# Altium PCB PCB_v3.PcbDoc (part 2 of 7) (continued)
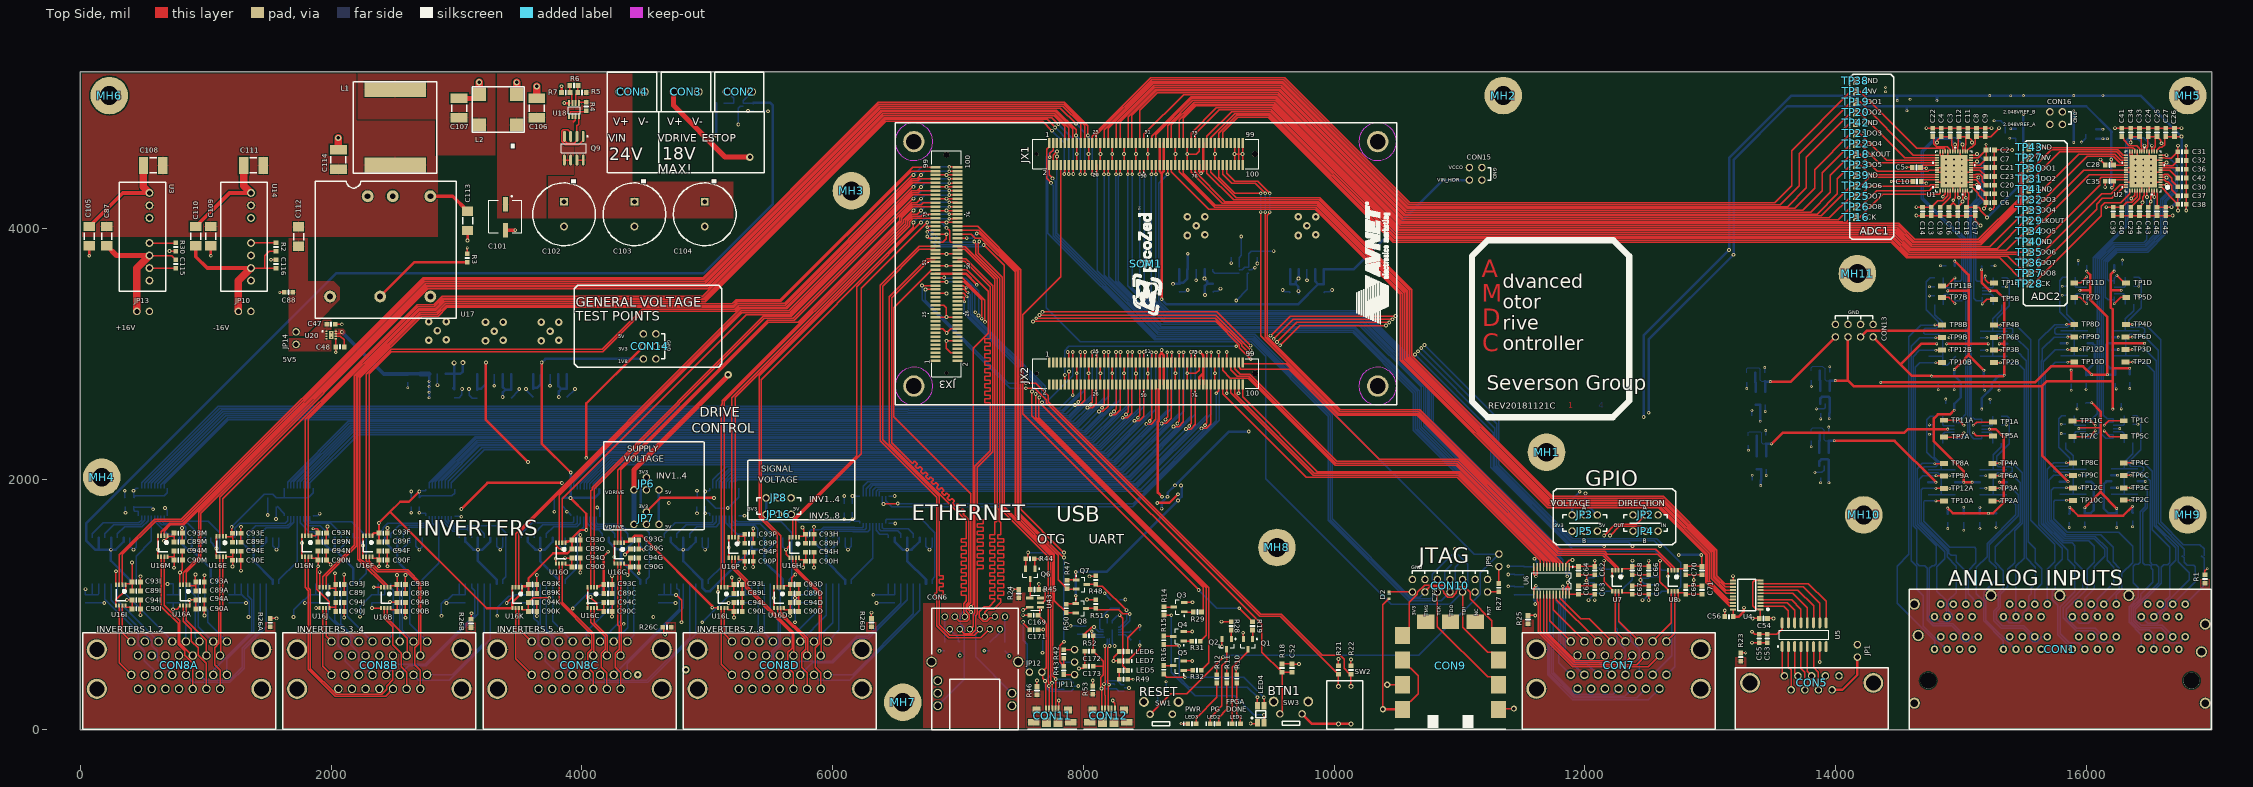
[diagram p0: Top Side view]
## Part data (continued)
R4 R6: library part Res1, "Resistor", Case/Package=0603, Case Code (Metric)=1608, Manufacturer="Stackpole Electronics", Manufacturer Part Number=RMCF0603FT60K4, Max Operating Temperature=155°C, Max Power Dissipation=100mW, Min Operating Temperature=-55°C, Resistance=60.4k, Supplier Part Number 1=RMCF0603FT60K4CT-ND, Temperature Coefficient=100ppm/°C, Tolerance=1%, Case Code (Imperial)=0603, ComponentLink1Description=https://www.verical.com/server-webapp/html/getDatasheet?partID=493745, ComponentLink1URL=https://www.verical.com/server-webapp/html/getDatasheet?partID=493745, ComponentLink2Description=http://components.arrow.com/part/dataview/47797003S7054871N1174, ComponentLink2URL=http://components.arrow.com/part/dataview/47797003S7054871N1174, ComponentLink3Description=https://www.seielect.com/catalog/SEI-RMCF_RMCP.pdf, ComponentLink3URL=https://www.seielect.com/catalog/SEI-RMCF_RMCP.pdf, Composition="Thick Film", Contact Plating=Tin,Matte, Depth=0.8mm, Height=0.022inch, Length=1.55mm, Military Standard=Not, Mount="Surface Mount", Number of Terminations=2, Packaging="Tape and Reel", Pricing 1="1=0.1, 10=0.017, 100=0.0069, 1000=0.00309, 2500=0.00268 (USD)", Radiation Hardening=No, Stock 1=95491, Supplier 1=Digi-Key, Width=0.031inch
R5: library part Res1, "Resistor", Case/Package=0603, Manufacturer="Stackpole Electronics", Manufacturer Part Number=RMCF0603FT3M92, Max Operating Temperature=155°C, Max Power Dissipation=100mW, Min Operating Temperature=-55°C, Package Quantity=5000, Resistance=3.92M, Supplier Part Number 1=RMCF0603FT3M92CT-ND, Temperature Coefficient=200ppm/°C, Tolerance=1%, ComponentLink1Description=https://www.seielect.com/Catalog/SEI-RMCF_RMCP.pdf, ComponentLink1URL=https://www.seielect.com/Catalog/SEI-RMCF_RMCP.pdf, Composition="Thick Film", Contact Plating=Tin,Matte, Height=0.022inch, Length=0.061inch, Mount="Surface Mount", Number of Terminations=2, Packaging="Tape and Reel", Pricing 1="1=0.1, 10=0.018, 100=0.0073, 1000=0.00329, 2500=0.00286 (USD)", Radiation Hardening=No, Stock 1=7775, Supplier 1=Digi-Key, Width=0.031inch
R7: library part Res1, "Resistor", Case/Package=0603, Case Code (Metric)=1608, Manufacturer="Stackpole Electronics", Manufacturer Part Number=RMCF0603FT40K2, Max Operating Temperature=155°C, Max Power Dissipation=100mW, Min Operating Temperature=-55°C, Resistance=40.2k, Supplier Part Number 1=RMCF0603FT40K2CT-ND, Temperature Coefficient=100ppm/°C, Tolerance=1%, Case Code (Imperial)=0603, ComponentLink1Description=http://components.arrow.com/part/dataview/47804758S9848883N1174, ComponentLink1URL=http://components.arrow.com/part/dataview/47804758S9848883N1174, ComponentLink2Description=https://www.seielect.com/catalog/SEI-RMCF_RMCP.pdf, ComponentLink2URL=https://www.seielect.com/catalog/SEI-RMCF_RMCP.pdf, ComponentLink3Description=http://www.seielect.com/Catalog/SEI-RMC.pdf, ComponentLink3URL=http://www.seielect.com/Catalog/SEI-RMC.pdf, ComponentLink4Description=https://www.seielect.com/catalog/SEI-Packaging.pdf, ComponentLink4URL=https://www.seielect.com/catalog/SEI-Packaging.pdf, Composition="Thick Film", Contact Plating=Tin,Matte, Height=0.022inch, Lead Free="Lead Free", Length=0.061inch, Mount="Surface Mount", Number of Terminations=2, Packaging="Tape and Reel", Power Rating=100mW, Pricing 1="1=0.1, 10=0.017, 100=0.0069, 1000=0.00309, 2500=0.00268 (USD)", Radiation Hardening=No, Stock 1=147242, Supplier 1=Digi-Key, Width=0.031inch
R10 R11 R14 R15 R16: Case/Package=0603, Case Code (Metric)=1608, Manufacturer=Panasonic, Manufacturer Part Number=ERJ-3EKF2400V, Max Operating Temperature=155°C, Max Power Dissipation=100mW, Min Operating Temperature=-55°C, Package Quantity=1, Resistance=240R, Supplier Part Number 1=P240HDKR-ND, Temperature Coefficient=100ppm/°C, Tolerance=1%, Voltage Rating=75V, Case Code (Imperial)=0603, ComponentLink1Description=https://datasheet.ciiva.com/16759/70260748-16759367.pdf, ComponentLink1URL=https://datasheet.ciiva.com/16759/70260748-16759367.pdf, ComponentLink2Description=https://datasheet.ciiva.com/9183/aoa0000ce2-9183994.pdf, ComponentLink2URL=https://datasheet.ciiva.com/9183/aoa0000ce2-9183994.pdf, ComponentLink3Description=https://datasheet.ciiva.com/16778/70260748-16778490.pdf, ComponentLink3URL=https://datasheet.ciiva.com/16778/70260748-16778490.pdf, ComponentLink4Description=https://datasheet.ciiva.com/9116/aoa0000ce2-9116891.pdf, ComponentLink4URL=https://datasheet.ciiva.com/9116/aoa0000ce2-9116891.pdf, ComponentLink5Description=https://datasheet.ciiva.com/43460/426256-43460443.pdf, ComponentLink5URL=https://datasheet.ciiva.com/43460/426256-43460443.pdf, ComponentLink6Description=https://datasheet.ciiva.com/46378/426256-46378046.pdf, ComponentLink6URL=https://datasheet.ciiva.com/46378/426256-46378046.pdf, ComponentLink7Description=https://datasheet.ciiva.com/5915/426256-5915295.pdf, ComponentLink7URL=https://datasheet.ciiva.com/5915/426256-5915295.pdf, Composition="Thick Film", Contact Plating=Tin, Depth=0.8mm, Features="Automotive AEC-Q200", Height=0.022inch, Length=1.6mm, Military Standard=Not, Mount="Surface Mount", Number of Terminations=2, Packaging="Tape and Reel", Power Rating=100mW, Pricing 1="1=0.1, 10=0.079, 100=0.0323, 1000=0.01449, 2500=0.01258 (USD)", Radiation Hardening=No, REACH SVHC="No SVHC", Stock 1=387596, Supplier 1=Digi-Key, Termination=SMD/SMT, Voltage Rating (DC)=75V, Weight=7.1E-05oz, Width=0.8mm
R12: Case/Package=0603, Case Code (Metric)=1608, Manufacturer=Yageo, Manufacturer Part Number=AC0603FR-07750RL, Max Operating Temperature=155°C, Max Power Dissipation=100mW, Min Operating Temperature=-55°C, Resistance=750, Supplier Part Number 1=YAG3628DKR-ND, Temperature Coefficient=100ppm/°C, Tolerance=1%, Voltage Rating=50V, Case Code (Imperial)=0603, ComponentLink1Description=https://datasheet.ciiva.com/16514/aoa0000ce2-16514166.pdf, ComponentLink1URL=https://datasheet.ciiva.com/16514/aoa0000ce2-16514166.pdf, ComponentLink2Description=https://datasheet.ciiva.com/16779/70260748-16779334.pdf, ComponentLink2URL=https://datasheet.ciiva.com/16779/70260748-16779334.pdf, ComponentLink3Description=https://datasheet.ciiva.com/27055/1988381-27055702.pdf, ComponentLink3URL=https://datasheet.ciiva.com/27055/1988381-27055702.pdf, ComponentLink4Description=https://datasheet.ciiva.com/16765/70260748-16765239.pdf, ComponentLink4URL=https://datasheet.ciiva.com/16765/70260748-16765239.pdf, ComponentLink5Description=https://datasheet.ciiva.com/46374/426256-46374007.pdf, ComponentLink5URL=https://datasheet.ciiva.com/46374/426256-46374007.pdf, ComponentLink6Description=https://datasheet.ciiva.com/46386/426256-46386762.pdf, ComponentLink6URL=https://datasheet.ciiva.com/46386/426256-46386762.pdf, ComponentLink7Description=https://datasheet.ciiva.com/30163/aoa0000ce2-30163966.pdf, ComponentLink7URL=https://datasheet.ciiva.com/30163/aoa0000ce2-30163966.pdf, ComponentLink8Description=https://datasheet.ciiva.com/5868/426256-5868143.pdf, ComponentLink8URL=https://datasheet.ciiva.com/5868/426256-5868143.pdf, ComponentLink9Description=https://datasheet.ciiva.com/24026/aoa0000ce2-24026079.pdf, ComponentLink9URL=https://datasheet.ciiva.com/24026/aoa0000ce2-24026079.pdf, ComponentLink10Description=http://www.mouser.com/ds/2/447/yageodocoutput-1111992.pdf, ComponentLink10URL=http://www.mouser.com/ds/2/447/yageodocoutput-1111992.pdf, ComponentLink11Description=http://www.yageo.com/NewPortal/yageodocoutput?fileName=/pdf/R-Chip/PYu-AC_51_RoHS_L_6.pdf, ComponentLink11URL=http://www.yageo.com/NewPortal/yageodocoutput?fileName=/pdf/R-Chip/PYu-AC_51_RoHS_L_6.pdf, Composition="Thick Film", Height=0.022inch, Length=0.063inch, Number of Terminations=2, Packaging="Tape and Reel", Power Rating=100mW, Pricing 1="1=0.1, 10=0.032, 100=0.0129, 1000=0.00579, 2500=0.00502 (USD)", Stock 1=36277, Supplier 1=Digi-Key, Termination=SMD/SMT, Width=0.8mm
R13 R19 R27 R28 R29 R31 R32 R52: Case/Package=0603, Case Code (Metric)=1608, Manufacturer=Yageo, Manufacturer Part Number=AC0603FR-07100RL, Max Operating Temperature=155°C, Max Power Dissipation=100mW, Min Operating Temperature=-55°C, Resistance=100R, Supplier Part Number 1=YAG3561DKR-ND, Temperature Coefficient=100ppm/°C, Tolerance=1%, Voltage Rating=50V, Case Code (Imperial)=0603, ComponentLink1Description=https://datasheet.ciiva.com/12576/pyu-ac-51-rohs-l-2-12576586.pdf, ComponentLink1URL=https://datasheet.ciiva.com/12576/pyu-ac-51-rohs-l-2-12576586.pdf, Composition="Thick Film", Contact Plating=Tin,Matte, Depth=0.8mm, Height=0.022inch, Lead Free="Lead Free", Length=1.6mm, Military Standard=Not, Number of Terminations=2, Packaging="Tape and Reel", Power Rating=100mW, Pricing 1="1=0.1, 10=0.032, 100=0.0129, 1000=0.00579, 2500=0.00502 (USD)", Radiation Hardening=No, Supplier 1=Digi-Key, Termination=SMD/SMT, Weight=7.1E-05oz, Width=0.031inch
  R13: Stock 1=161567
  R19 R27 R28 R29 R31 R32 R52: Stock 1=161909
R17 R18 R21 R22: Case/Package=0603, Case Code (Metric)=1608, Manufacturer=Panasonic, Manufacturer Part Number=ERJ-3EKF1002V, Max Operating Temperature=155°C, Max Power Dissipation=100mW, Min Operating Temperature=-55°C, Package Quantity=1, Resistance=10kR, Supplier Part Number 1=P10.0KHCT-ND, Temperature Coefficient=100ppm/°C, Tolerance=1%, Voltage Rating=75V, Case Code (Imperial)=0603, ComponentLink1Description=https://datasheet.ciiva.com/16511/aoa0000ce2-16511861.pdf, ComponentLink1URL=https://datasheet.ciiva.com/16511/aoa0000ce2-16511861.pdf, ComponentLink2Description=https://datasheet.ciiva.com/46372/1678782-46372725.pdf, ComponentLink2URL=https://datasheet.ciiva.com/46372/1678782-46372725.pdf, ComponentLink3Description=https://datasheet.ciiva.com/28514/426256-28514198.pdf, ComponentLink3URL=https://datasheet.ciiva.com/28514/426256-28514198.pdf, ComponentLink4Description=https://datasheet.ciiva.com/9194/aoa0000ce2-9194199.pdf, ComponentLink4URL=https://datasheet.ciiva.com/9194/aoa0000ce2-9194199.pdf, ComponentLink5Description=https://datasheet.ciiva.com/7830/aoa0000ce2-7830729.pdf, ComponentLink5URL=https://datasheet.ciiva.com/7830/aoa0000ce2-7830729.pdf, ComponentLink6Description=https://datasheet.ciiva.com/17212/aoa0000ce2-17212105.pdf, ComponentLink6URL=https://datasheet.ciiva.com/17212/aoa0000ce2-17212105.pdf, ComponentLink7Description=https://datasheet.ciiva.com/30208/aoa0000ce2-30208985.pdf, ComponentLink7URL=https://datasheet.ciiva.com/30208/aoa0000ce2-30208985.pdf, ComponentLink8Description=https://datasheet.ciiva.com/48530/aoa0000ce2-48530988.pdf, ComponentLink8URL=https://datasheet.ciiva.com/48530/aoa0000ce2-48530988.pdf, ComponentLink9Description=https://datasheet.ciiva.com/24070/aoa0000ce2-24070318.pdf, ComponentLink9URL=https://datasheet.ciiva.com/24070/aoa0000ce2-24070318.pdf, ComponentLink10Description=https://datasheet.ciiva.com/16759/70260748-16759807.pdf, ComponentLink10URL=https://datasheet.ciiva.com/16759/70260748-16759807.pdf, Composition="Thick Film", Contact Plating=Tin, Depth=0.8mm, Features="Automotive AEC-Q200", Height=0.45mm, Lead Free="Lead Free", Length=1.6mm, Military Standard=Not, Mount="Surface Mount", Number of Pins=2, Number of Terminations=2, Packaging="Tape and Reel", Power Rating=100mW, Pricing 1="1=0.1, 10=0.079, 100=0.0323, 1000=0.01449, 2500=0.01258 (USD)", Radiation Hardening=No, REACH SVHC="No SVHC", Stock 1=8680, Supplier 1=Digi-Key, Termination=SMD/SMT, Voltage Rating (DC)=75V, Width=0.031inch
R26A R26B R26C R26D: Case/Package=0603, Case Code (Metric)=1608, Manufacturer=Panasonic, Manufacturer Part Number=ERJ-3GEY0R00V, Max Operating Temperature=155°C, Max Power Dissipation=100mW, Min Operating Temperature=-55°C, Package Quantity=1, Resistance=0R, Supplier Part Number 1=P0.0GDKR-ND, Temperature Coefficient=600ppm/°C, Tolerance=0%, Voltage Rating=75V, Voltage Rating (DC)=50V, Case Code (Imperial)=0603, ComponentLink1Description=https://datasheet.ciiva.com/48532/aoa0000ce1-48532165.pdf, ComponentLink1URL=https://datasheet.ciiva.com/48532/aoa0000ce1-48532165.pdf, ComponentLink2Description=https://datasheet.ciiva.com/43460/1678796-43460647.pdf, ComponentLink2URL=https://datasheet.ciiva.com/43460/1678796-43460647.pdf, ComponentLink3Description=https://datasheet.ciiva.com/27055/1935748-27055113.pdf, ComponentLink3URL=https://datasheet.ciiva.com/27055/1935748-27055113.pdf, ComponentLink4Description=https://datasheet.ciiva.com/28695/1678796-28695833.pdf, ComponentLink4URL=https://datasheet.ciiva.com/28695/1678796-28695833.pdf, ComponentLink5Description=https://datasheet.ciiva.com/5959/1678796-5959707.pdf, ComponentLink5URL=https://datasheet.ciiva.com/5959/1678796-5959707.pdf, ComponentLink6Description=https://datasheet.ciiva.com/16834/aoa0000ce1-16834828.pdf, ComponentLink6URL=https://datasheet.ciiva.com/16834/aoa0000ce1-16834828.pdf, ComponentLink7Description=https://datasheet.ciiva.com/17215/aoa0000ce1-17215388.pdf, ComponentLink7URL=https://datasheet.ciiva.com/17215/aoa0000ce1-17215388.pdf, ComponentLink8Description=https://datasheet.ciiva.com/46377/1678796-46377868.pdf, ComponentLink8URL=https://datasheet.ciiva.com/46377/1678796-46377868.pdf, ComponentLink9Description=https://datasheet.ciiva.com/30199/4aoa0000ce1-30199822.pdf, ComponentLink9URL=https://datasheet.ciiva.com/30199/4aoa0000ce1-30199822.pdf, ComponentLink10Description=https://datasheet.ciiva.com/9198/aoa0000ce1-9198975.pdf, ComponentLink10URL=https://datasheet.ciiva.com/9198/aoa0000ce1-9198975.pdf, ComponentLink11Description=https://datasheet.ciiva.com/11808/0900766b80f806dd-11808207.pdf, ComponentLink11URL=https://datasheet.ciiva.com/11808/0900766b80f806dd-11808207.pdf, ComponentLink12Description=https://datasheet.ciiva.com/16758/70255313-16758527.pdf, ComponentLink12URL=https://datasheet.ciiva.com/16758/70255313-16758527.pdf, Composition="Thick Film", Contact Plating=Tin, Depth=0.8mm, Features="Automotive AEC-Q200", Height=0.45mm, Lead Free="Lead Free", Length=1.6mm, Military Standard=Not, Mount="Surface Mount", Number of Terminations=2, Packaging="Tape and Reel", Power Rating=100mW, Pricing 1="1=0.1, 10=0.053, 25=0.038, 50=0.029, 100=0.0214, 250=0.01632, 500=0.01306, 1000=0.00962 (USD)", Radiation Hardening=No, REACH SVHC="No SVHC", Stock 1=22586620, Supplier 1=Digi-Key, Termination=SMD/SMT, Width=0.031inch
R38A R38B: Case/Package=0603, Case Code (Metric)=1608, Manufacturer=Yageo, Manufacturer Part Number=RC0603FR-07115KL, Max Operating Temperature=155°C, Max Power Dissipation=100mW, Min Operating Temperature=-55°C, Package Quantity=1, Resistance=115k, Supplier Part Number 1=311-115KHRDKR-ND, Temperature Coefficient=100ppm/°C, Tolerance=1%, Voltage Rating=50V, Case Code (Imperial)=0603, ComponentLink1Description=https://datasheet.ciiva.com/28564/1694929-28564197.pdf, ComponentLink1URL=https://datasheet.ciiva.com/28564/1694929-28564197.pdf, ComponentLink2Description=https://datasheet.ciiva.com/7853/aoa0000ce2-7853702.pdf, ComponentLink2URL=https://datasheet.ciiva.com/7853/aoa0000ce2-7853702.pdf, ComponentLink3Description=https://datasheet.ciiva.com/16511/aoa0000ce2-16511879.pdf, ComponentLink3URL=https://datasheet.ciiva.com/16511/aoa0000ce2-16511879.pdf, ComponentLink4Description=https://datasheet.ciiva.com/9186/aoa0000ce2-9186297.pdf, ComponentLink4URL=https://datasheet.ciiva.com/9186/aoa0000ce2-9186297.pdf, ComponentLink5Description=https://datasheet.ciiva.com/30182/aoa0000ce2-30182633.pdf, ComponentLink5URL=https://datasheet.ciiva.com/30182/aoa0000ce2-30182633.pdf, ComponentLink6Description=https://datasheet.ciiva.com/9186/aoa0000ce2-9186298.pdf, ComponentLink6URL=https://datasheet.ciiva.com/9186/aoa0000ce2-9186298.pdf, ComponentLink7Description=https://datasheet.ciiva.com/16772/70260748-16772076.pdf, ComponentLink7URL=https://datasheet.ciiva.com/16772/70260748-16772076.pdf, ComponentLink8Description=https://datasheet.ciiva.com/16767/70260748-16767903.pdf, ComponentLink8URL=https://datasheet.ciiva.com/16767/70260748-16767903.pdf, ComponentLink9Description=https://datasheet.ciiva.com/2455/pyu-r-int-thick-7-2455088.pdf, ComponentLink9URL=https://datasheet.ciiva.com/2455/pyu-r-int-thick-7-2455088.pdf, ComponentLink10Description=https://datasheet.ciiva.com/8887/pyu-rc0603-51-rohs-l-4-8887692.pdf, ComponentLink10URL=https://datasheet.ciiva.com/8887/pyu-rc0603-51-rohs-l-4-8887692.pdf, ComponentLink11Description=https://datasheet.ciiva.com/28394/pyu-rc0603-51-rohs-l-4-28394989.pdf, ComponentLink11URL=https://datasheet.ciiva.com/28394/pyu-rc0603-51-rohs-l-4-28394989.pdf, ComponentLink12Description=https://datasheet.ciiva.com/2455/pyu-r-int-thick-7-2455086.pdf, ComponentLink12URL=https://datasheet.ciiva.com/2455/pyu-r-int-thick-7-2455086.pdf, ComponentLink13Description=https://datasheet.ciiva.com/2455/pyu-r-int-thick-7-2455087.pdf, ComponentLink13URL=https://datasheet.ciiva.com/2455/pyu-r-int-thick-7-2455087.pdf, Composition="Thick Film", Contact Plating=Tin,Matte, Depth=0.8mm, Features="Moisture Resistant", Height=0.022inch, Lead Free="Lead Free", Length=0.063inch, Military Standard=Not, Number of Terminations=2, Packaging="Tape and Reel", Power Rating=100mW, Pricing 1="1=0.1, 10=0.026, 100=0.0107, 1000=0.00478, 2500=0.00415 (USD)", Stock 1=39900, Supplier 1=Digi-Key, Termination=SMD/SMT, Voltage Rating (DC)=50V, Width=0.031inch
R39A R39B R43 R44 R45 R47 R48 R50 R51: Case/Package=0603, Case Code (Metric)=1608, Manufacturer=Panasonic, Manufacturer Part Number=ERJ-3EKF1002V, Max Operating Temperature=155°C, Max Power Dissipation=100mW, Min Operating Temperature=-55°C, Package Quantity=1, Resistance=10kR, Supplier Part Number 1=P10.0KHDKR-ND, Temperature Coefficient=100ppm/°C, Tolerance=1%, Voltage Rating=75V, Case Code (Imperial)=0603, ComponentLink1Description=https://datasheet.ciiva.com/16511/aoa0000ce2-16511861.pdf, ComponentLink1URL=https://datasheet.ciiva.com/16511/aoa0000ce2-16511861.pdf, ComponentLink2Description=https://datasheet.ciiva.com/46372/1678782-46372725.pdf, ComponentLink2URL=https://datasheet.ciiva.com/46372/1678782-46372725.pdf, ComponentLink3Description=https://datasheet.ciiva.com/28514/426256-28514198.pdf, ComponentLink3URL=https://datasheet.ciiva.com/28514/426256-28514198.pdf, ComponentLink4Description=https://datasheet.ciiva.com/9194/aoa0000ce2-9194199.pdf, ComponentLink4URL=https://datasheet.ciiva.com/9194/aoa0000ce2-9194199.pdf, ComponentLink5Description=https://datasheet.ciiva.com/7830/aoa0000ce2-7830729.pdf, ComponentLink5URL=https://datasheet.ciiva.com/7830/aoa0000ce2-7830729.pdf, ComponentLink6Description=https://datasheet.ciiva.com/17212/aoa0000ce2-17212105.pdf, ComponentLink6URL=https://datasheet.ciiva.com/17212/aoa0000ce2-17212105.pdf, ComponentLink7Description=https://datasheet.ciiva.com/30208/aoa0000ce2-30208985.pdf, ComponentLink7URL=https://datasheet.ciiva.com/30208/aoa0000ce2-30208985.pdf, ComponentLink8Description=https://datasheet.ciiva.com/48530/aoa0000ce2-48530988.pdf, ComponentLink8URL=https://datasheet.ciiva.com/48530/aoa0000ce2-48530988.pdf, ComponentLink9Description=https://datasheet.ciiva.com/24070/aoa0000ce2-24070318.pdf, ComponentLink9URL=https://datasheet.ciiva.com/24070/aoa0000ce2-24070318.pdf, ComponentLink10Description=https://datasheet.ciiva.com/16759/70260748-16759807.pdf, ComponentLink10URL=https://datasheet.ciiva.com/16759/70260748-16759807.pdf, Composition="Thick Film", Contact Plating=Tin, Depth=0.8mm, Features="Automotive AEC-Q200", Height=0.45mm, Lead Free="Lead Free", Length=1.6mm, Military Standard=Not, Mount="Surface Mount", Number of Pins=2, Number of Terminations=2, Packaging="Tape and Reel", Power Rating=100mW, Pricing 1="1=0.1, 10=0.079, 100=0.0323, 1000=0.01449, 2500=0.01258 (USD)", Radiation Hardening=No, REACH SVHC="No SVHC", Stock 1=6493854, Supplier 1=Digi-Key, Termination=SMD/SMT, Voltage Rating (DC)=75V, Width=0.031inch
R40A R40B: Case/Package=0603, Case Code (Metric)=1608, Manufacturer=Yageo, Manufacturer Part Number=RC0603FR-0716KL, Max Operating Temperature=155°C, Min Operating Temperature=-55°C, Power Rating=100mW, Resistance=16k, Supplier Part Number 1=311-16.0KHRDKR-ND, Temperature Coefficient=100ppm/°C, Tolerance=1%, Voltage Rating=50V, Working Voltage=75V, Case Code (Imperial)=0603, ComponentLink1Description=https://datasheet.ciiva.com/28680/1678782-28680759.pdf, ComponentLink1URL=https://datasheet.ciiva.com/28680/1678782-28680759.pdf, ComponentLink2Description=https://datasheet.ciiva.com/16779/70260748-16779769.pdf, ComponentLink2URL=https://datasheet.ciiva.com/16779/70260748-16779769.pdf, ComponentLink3Description=https://datasheet.ciiva.com/30226/aoa0000ce2-30226189.pdf, ComponentLink3URL=https://datasheet.ciiva.com/30226/aoa0000ce2-30226189.pdf, ComponentLink4Description=https://datasheet.ciiva.com/5875/426256-5875646.pdf, ComponentLink4URL=https://datasheet.ciiva.com/5875/426256-5875646.pdf, ComponentLink5Description=https://datasheet.ciiva.com/28515/1678782-28515247.pdf, ComponentLink5URL=https://datasheet.ciiva.com/28515/1678782-28515247.pdf, ComponentLink6Description=https://datasheet.ciiva.com/46378/426256-46378047.pdf, ComponentLink6URL=https://datasheet.ciiva.com/46378/426256-46378047.pdf, ComponentLink7Description=https://datasheet.ciiva.com/11819/0900766b80f96399-11819239.pdf, ComponentLink7URL=https://datasheet.ciiva.com/11819/0900766b80f96399-11819239.pdf, Composition="Thick Film", Depth=0.8mm, Height=0.45mm, Lead Free="Lead Free", Length=1.6mm, Military Standard=Not, Mount="Surface Mount", Number of Terminations=2, Packaging="Tape and Reel", Pricing 1="1=0.1, 10=0.026, 100=0.0107, 1000=0.00478, 2500=0.00415 (USD)", Stock 1=244689, Supplier 1=Digi-Key, Termination=SMD/SMT, Voltage Rating (DC)=50V, Width=0.8mm
R41A R41B: Case/Package=0603, Case Code (Metric)=1608, Manufacturer=Yageo, Manufacturer Part Number=RC0603FR-07180KL, Max Operating Temperature=155°C, Max Power Dissipation=100mW, Min Operating Temperature=-55°C, Package Quantity=1, Resistance=180k, Supplier Part Number 1=311-180KHRDKR-ND, Temperature Coefficient=100ppm/°C, Tolerance=1%, Voltage Rating=50V, Working Voltage=75V, Case Code (Imperial)=0603, ComponentLink1Description=https://datasheet.ciiva.com/22739/426256-22739797.pdf, ComponentLink1URL=https://datasheet.ciiva.com/22739/426256-22739797.pdf, ComponentLink2Description=https://datasheet.ciiva.com/24162/aoa0000ce2-24162661.pdf, ComponentLink2URL=https://datasheet.ciiva.com/24162/aoa0000ce2-24162661.pdf, ComponentLink3Description=https://datasheet.ciiva.com/30137/aoa0000ce2-30137813.pdf, ComponentLink3URL=https://datasheet.ciiva.com/30137/aoa0000ce2-30137813.pdf, ComponentLink4Description=https://datasheet.ciiva.com/46436/1678782-46436790.pdf, ComponentLink4URL=https://datasheet.ciiva.com/46436/1678782-46436790.pdf, ComponentLink5Description=https://datasheet.ciiva.com/46436/1678782-46436791.pdf, ComponentLink5URL=https://datasheet.ciiva.com/46436/1678782-46436791.pdf, ComponentLink6Description=https://datasheet.ciiva.com/16782/70260748-16782408.pdf, ComponentLink6URL=https://datasheet.ciiva.com/16782/70260748-16782408.pdf, ComponentLink7Description=https://datasheet.ciiva.com/17207/aoa0000ce2-17207208.pdf, ComponentLink7URL=https://datasheet.ciiva.com/17207/aoa0000ce2-17207208.pdf, ComponentLink8Description=https://datasheet.ciiva.com/28568/1678782-28568699.pdf, ComponentLink8URL=https://datasheet.ciiva.com/28568/1678782-28568699.pdf, ComponentLink9Description=https://datasheet.ciiva.com/5915/aoa0000ce2-5915294.pdf, ComponentLink9URL=https://datasheet.ciiva.com/5915/aoa0000ce2-5915294.pdf, ComponentLink10Description=https://datasheet.ciiva.com/9184/aoa0000ce2-9184911.pdf, ComponentLink10URL=https://datasheet.ciiva.com/9184/aoa0000ce2-9184911.pdf, ComponentLink11Description=https://datasheet.ciiva.com/5561/rc0603-272842-5561848.pdf, ComponentLink11URL=https://datasheet.ciiva.com/5561/rc0603-272842-5561848.pdf, ComponentLink12Description=https://datasheet.ciiva.com/7746/443971-7746264.pdf, ComponentLink12URL=https://datasheet.ciiva.com/7746/443971-7746264.pdf, ComponentLink13Description=https://datasheet.ciiva.com/7746/443971-7746265.pdf, ComponentLink13URL=https://datasheet.ciiva.com/7746/443971-7746265.pdf, ComponentLink14Description=https://datasheet.ciiva.com/11819/0900766b80f96399-11819273.pdf, ComponentLink14URL=https://datasheet.ciiva.com/11819/0900766b80f96399-11819273.pdf, ComponentLink15Description=https://datasheet.ciiva.com/2508/pyu-r-int-thick-7-2508491.pdf, ComponentLink15URL=https://datasheet.ciiva.com/2508/pyu-r-int-thick-7-2508491.pdf, ComponentLink16Description=https://datasheet.ciiva.com/2508/pyu-r-int-thick-7-2508492.pdf, ComponentLink16URL=https://datasheet.ciiva.com/2508/pyu-r-int-thick-7-2508492.pdf, ComponentLink17Description=https://datasheet.ciiva.com/2508/pyu-r-int-thick-7-2508493.pdf, ComponentLink17URL=https://datasheet.ciiva.com/2508/pyu-r-int-thick-7-2508493.pdf, Composition="Thick Film", Depth=0.8mm, Features="Moisture Resistant", Height=0.45mm, Lead Free="Lead Free", Length=1.6mm, Military Standard=Not, Number of Pins=2, Number of Terminations=2, Packaging="Tape and Reel", Power Rating=100mW, Pricing 1="1=0.1, 10=0.026, 100=0.0107, 1000=0.00478, 2500=0.00415 (USD)", REACH SVHC=Unknown, Stock 1=45010, Supplier 1=Digi-Key, Termination=SMD/SMT, Voltage Rating (DC)=50V, Width=0.8mm
R42: Case/Package=0603, Case Code (Metric)=1608, Manufacturer=Panasonic, Manufacturer Part Number=ERJ-3EKF1001V, Max Operating Temperature=155°C, Max Power Dissipation=100mW, Min Operating Temperature=-55°C, Package Quantity=1, Resistance=1kR, Supplier Part Number 1=P1.00KHDKR-ND, Temperature Coefficient=100ppm/°C, Tolerance=1%, Voltage Rating=75V, Case Code (Imperial)=0603, ComponentLink1Description=https://datasheet.ciiva.com/16768/70260748-16768437.pdf, ComponentLink1URL=https://datasheet.ciiva.com/16768/70260748-16768437.pdf, ComponentLink2Description=https://datasheet.ciiva.com/16774/70260748-16774550.pdf, ComponentLink2URL=https://datasheet.ciiva.com/16774/70260748-16774550.pdf, ComponentLink3Description=https://datasheet.ciiva.com/28532/426256-28532120.pdf, ComponentLink3URL=https://datasheet.ciiva.com/28532/426256-28532120.pdf, ComponentLink4Description=https://datasheet.ciiva.com/16449/aoa0000ce2-16449065.pdf, ComponentLink4URL=https://datasheet.ciiva.com/16449/aoa0000ce2-16449065.pdf, ComponentLink5Description=https://datasheet.ciiva.com/7942/aoa0000ce2-7942427.pdf, ComponentLink5URL=https://datasheet.ciiva.com/7942/aoa0000ce2-7942427.pdf, ComponentLink6Description=https://datasheet.ciiva.com/9198/aoa0000ce2-9198923.pdf, ComponentLink6URL=https://datasheet.ciiva.com/9198/aoa0000ce2-9198923.pdf, ComponentLink7Description=https://datasheet.ciiva.com/46373/1678782-46373339.pdf, ComponentLink7URL=https://datasheet.ciiva.com/46373/1678782-46373339.pdf, ComponentLink8Description=https://datasheet.ciiva.com/48530/aoa0000ce2-48530987.pdf, ComponentLink8URL=https://datasheet.ciiva.com/48530/aoa0000ce2-48530987.pdf, ComponentLink9Description=https://datasheet.ciiva.com/46373/1678782-46373340.pdf, ComponentLink9URL=https://datasheet.ciiva.com/46373/1678782-46373340.pdf, ComponentLink10Description=https://datasheet.ciiva.com/24070/aoa0000ce2-24070269.pdf, ComponentLink10URL=https://datasheet.ciiva.com/24070/aoa0000ce2-24070269.pdf, ComponentLink11Description=https://datasheet.ciiva.com/22673/1678782-22673918.pdf, ComponentLink11URL=https://datasheet.ciiva.com/22673/1678782-22673918.pdf, ComponentLink12Description=https://datasheet.ciiva.com/30063/aoa0000ce2-30063390.pdf, ComponentLink12URL=https://datasheet.ciiva.com/30063/aoa0000ce2-30063390.pdf, ComponentLink13Description=https://datasheet.ciiva.com/17215/aoa0000ce2-17215311.pdf, ComponentLink13URL=https://datasheet.ciiva.com/17215/aoa0000ce2-17215311.pdf, ComponentLink14Description=https://datasheet.ciiva.com/2469/esr-2469603.pdf, ComponentLink14URL=https://datasheet.ciiva.com/2469/esr-2469603.pdf, ComponentLink15Description=https://datasheet.ciiva.com/2469/esr-2469604.pdf, ComponentLink15URL=https://datasheet.ciiva.com/2469/esr-2469604.pdf, ComponentLink16Description=https://datasheet.ciiva.com/2469/esr-2469605.pdf, ComponentLink16URL=https://datasheet.ciiva.com/2469/esr-2469605.pdf, Composition="Thick Film", Contact Plating=Tin, Depth=0.8mm, Features="Automotive AEC-Q200", Height=0.45mm, Lead Free="Lead Free", Length=1.6mm, Military Standard=Not, Mount="Surface Mount", Number of Pins=2, Number of Terminations=2, Packaging="Tape and Reel", Power Rating=100mW, Pricing 1="1=0.1, 10=0.079, 100=0.0323, 1000=0.01449, 2500=0.01258 (USD)", Pricing 2="1=0.1, 10=0.087, 100=0.0333, 1000=0.01464, 2500=0.01264 (USD)", Radiation Hardening=No, REACH SVHC="No SVHC", Stock 1=16555559, Stock 2=326754, Supplier 1=Digi-Key, Supplier 2=Digi-Key, Supplier Part Number 2=RHM1.0KDDKR-ND, Termination=SMD/SMT, Voltage Rating (DC)=75V, Width=0.031inch
R49: Case/Package=0603, Case Code (Metric)=1608, Manufacturer=Yageo, Manufacturer Part Number=AC0603FR-07240RL, Max Operating Temperature=155°C, Max Power Dissipation=100mW, Min Operating Temperature=-55°C, Resistance=240, Supplier Part Number 1=YAG3582DKR-ND, Temperature Coefficient=100ppm/°C, Tolerance=1%, Voltage Rating=50V, Case Code (Imperial)=0603, ComponentLink1Description=https://datasheet.ciiva.com/17206/aoa0000ce1-17206709.pdf, ComponentLink1URL=https://datasheet.ciiva.com/17206/aoa0000ce1-17206709.pdf, ComponentLink2Description=https://datasheet.ciiva.com/28577/1678796-28577765.pdf, ComponentLink2URL=https://datasheet.ciiva.com/28577/1678796-28577765.pdf, ComponentLink3Description=https://datasheet.ciiva.com/24026/aoa0000ce1-37422-24026440.pdf, ComponentLink3URL=https://datasheet.ciiva.com/24026/aoa0000ce1-37422-24026440.pdf, ComponentLink4Description=https://datasheet.ciiva.com/46390/1500035-46390120.pdf, ComponentLink4URL=https://datasheet.ciiva.com/46390/1500035-46390120.pdf, ComponentLink5Description=https://datasheet.ciiva.com/16516/aoa0000ce1-16516233.pdf, ComponentLink5URL=https://datasheet.ciiva.com/16516/aoa0000ce1-16516233.pdf, ComponentLink6Description=https://datasheet.ciiva.com/16763/70255313-16763561.pdf, ComponentLink6URL=https://datasheet.ciiva.com/16763/70255313-16763561.pdf, ComponentLink7Description=https://datasheet.ciiva.com/46378/1500035-46378041.pdf, ComponentLink7URL=https://datasheet.ciiva.com/46378/1500035-46378041.pdf, ComponentLink8Description=https://datasheet.ciiva.com/11821/0900766b80f806dd-11821419.pdf, ComponentLink8URL=https://datasheet.ciiva.com/11821/0900766b80f806dd-11821419.pdf, ComponentLink9Description=https://datasheet.ciiva.com/28675/1678796-28675819.pdf, ComponentLink9URL=https://datasheet.ciiva.com/28675/1678796-28675819.pdf, ComponentLink10Description=https://datasheet.ciiva.com/43460/1500035-43460699.pdf, ComponentLink10URL=https://datasheet.ciiva.com/43460/1500035-43460699.pdf, ComponentLink11Description=https://datasheet.ciiva.com/16758/70255313-16758910.pdf, ComponentLink11URL=https://datasheet.ciiva.com/16758/70255313-16758910.pdf, ComponentLink12Description=http://www.mouser.com/ds/2/447/yageodocoutput-1111992.pdf, ComponentLink12URL=http://www.mouser.com/ds/2/447/yageodocoutput-1111992.pdf, ComponentLink13Description=http://www.yageo.com/NewPortal/yageodocoutput?fileName=/pdf/R-Chip/PYu-AC_51_RoHS_L_6.pdf, ComponentLink13URL=http://www.yageo.com/NewPortal/yageodocoutput?fileName=/pdf/R-Chip/PYu-AC_51_RoHS_L_6.pdf, Composition="Thick Film", Height=0.022inch, Length=0.063inch, Number of Terminations=2, Packaging="Tape and Reel", Power Rating=100mW, Pricing 1="1=0.1, 10=0.032, 100=0.0129, 1000=0.00579, 2500=0.00502 (USD)", Stock 1=2417, Supplier 1=Digi-Key, Termination=SMD/SMT, Width=0.8mm
R54 R55: Case/Package=0603, Case Code (Metric)=1608, Manufacturer=Yageo, Manufacturer Part Number=RC0603FR-07330RL, Max Operating Temperature=155°C, Max Power Dissipation=100mW, Min Operating Temperature=-55°C, Package Quantity=1, Resistance=330R, Supplier Part Number 1=311-330HRDKR-ND, Temperature Coefficient=100ppm/°C, Tolerance=1%, Voltage Rating=50V, Case Code (Imperial)=0603, ComponentLink1Description=https://datasheet.ciiva.com/2454/pyu-r-int-thick-7-2454864.pdf, ComponentLink1URL=https://datasheet.ciiva.com/2454/pyu-r-int-thick-7-2454864.pdf, ComponentLink2Description=https://datasheet.ciiva.com/2454/pyu-r-int-thick-7-2454865.pdf, ComponentLink2URL=https://datasheet.ciiva.com/2454/pyu-r-int-thick-7-2454865.pdf, ComponentLink3Description=https://datasheet.ciiva.com/2454/pyu-r-int-thick-7-2454866.pdf, ComponentLink3URL=https://datasheet.ciiva.com/2454/pyu-r-int-thick-7-2454866.pdf, ComponentLink4Description=https://datasheet.ciiva.com/12555/rc0603-272842-12555334.pdf, ComponentLink4URL=https://datasheet.ciiva.com/12555/rc0603-272842-12555334.pdf, ComponentLink5Description=https://datasheet.ciiva.com/46440/1868787-46440904.pdf, ComponentLink5URL=https://datasheet.ciiva.com/46440/1868787-46440904.pdf, ComponentLink6Description=https://datasheet.ciiva.com/7746/443971-7746329.pdf, ComponentLink6URL=https://datasheet.ciiva.com/7746/443971-7746329.pdf, ComponentLink7Description=https://datasheet.ciiva.com/7746/443971-7746330.pdf, ComponentLink7URL=https://datasheet.ciiva.com/7746/443971-7746330.pdf, ComponentLink8Description=https://datasheet.ciiva.com/7746/1686128-7746331.pdf, ComponentLink8URL=https://datasheet.ciiva.com/7746/1686128-7746331.pdf, ComponentLink9Description=https://datasheet.ciiva.com/11819/0900766b80f96399-11819327.pdf, ComponentLink9URL=https://datasheet.ciiva.com/11819/0900766b80f96399-11819327.pdf, Composition="Thick Film", Depth=0.8mm, Features="Moisture Resistant", Height=0.45mm, Lead Free="Lead Free", Length=1.6mm, Number of Pins=2, Number of Terminations=2, Packaging="Tape and Reel", Power Rating=100mW, Pricing 1="1=0.1, 10=0.026, 100=0.0107, 1000=0.00478, 2500=0.00415 (USD)", REACH SVHC="No SVHC", Stock 1=245569, Supplier 1=Digi-Key, Termination=SMD/SMT, Voltage Rating (DC)=50V, Width=0.8mm
R56: Case/Package=0603, Case Code (Metric)=1608, Manufacturer=Panasonic, Manufacturer Part Number=ERA-3AEB512V, Max Operating Temperature=155°C, Max Power Dissipation=100mW, Min Operating Temperature=-55°C, Package Quantity=5000, Resistance=5.1kR, Supplier Part Number 1=P5.1KDBDKR-ND, Temperature Coefficient=25ppm/°C, Tolerance=0.1%, Voltage Rating=75V, Case Code (Imperial)=0603, ComponentLink1Description=https://datasheet.ciiva.com/5860/485442-5860519.pdf, ComponentLink1URL=https://datasheet.ciiva.com/5860/485442-5860519.pdf, ComponentLink2Description=https://datasheet.ciiva.com/5860/485442-5860520.pdf, ComponentLink2URL=https://datasheet.ciiva.com/5860/485442-5860520.pdf, ComponentLink3Description=https://datasheet.ciiva.com/24025/aoa0000ce26-197354-24025560.pdf, ComponentLink3URL=https://datasheet.ciiva.com/24025/aoa0000ce26-197354-24025560.pdf, ComponentLink4Description=https://datasheet.ciiva.com/16395/aoa0000ce26-16395262.pdf, ComponentLink4URL=https://datasheet.ciiva.com/16395/aoa0000ce26-16395262.pdf, ComponentLink5Description=https://datasheet.ciiva.com/16770/70068849-16770062.pdf, ComponentLink5URL=https://datasheet.ciiva.com/16770/70068849-16770062.pdf, ComponentLink6Description=https://datasheet.ciiva.com/29183/451140-da-01-en-widerstand-0603-era-29183792.pdf, ComponentLink6URL=https://datasheet.ciiva.com/29183/451140-da-01-en-widerstand-0603-era-29183792.pdf, Composition="Thin Film", Contact Plating=Tin, Depth=0.8mm, Height=0.022inch, Lead Free="Lead Free", Length=1.6mm, Military Standard=Not, Mount="Surface Mount", Number of Pins=2, Number of Terminations=2, Packaging="Tape and Reel", Power Rating=100mW, Pricing 1="1=0.41, 10=0.346, 100=0.1351, 1000=0.05655, 2500=0.05184 (USD)", Radiation Hardening=No, REACH SVHC="No SVHC", Stock 1=109513, Supplier 1=Digi-Key, Termination=Solder, Voltage Rating (DC)=75V, Width=0.031inch
R57A R57B R57C R57D R58A R58B R58C R58D R59A R59B R59C R59D R60A R60B R60C R60D: Case/Package=0603, Case Code (Metric)=1608, Manufacturer=Yageo, Manufacturer Part Number=AC0603FR-07100RL, Max Operating Temperature=155°C, Max Power Dissipation=100mW, Min Operating Temperature=-55°C, Resistance=100, Supplier Part Number 1=YAG3561DKR-ND, Temperature Coefficient=100ppm/°C, Tolerance=1%, Voltage Rating=50V, Case Code (Imperial)=0603, ComponentLink1Description=https://datasheet.ciiva.com/12576/pyu-ac-51-rohs-l-2-12576586.pdf, ComponentLink1URL=https://datasheet.ciiva.com/12576/pyu-ac-51-rohs-l-2-12576586.pdf, Composition="Thick Film", Contact Plating=Tin,Matte, Depth=0.8mm, Height=0.022inch, Lead Free="Lead Free", Length=1.6mm, Military Standard=Not, Number of Terminations=2, Packaging="Tape and Reel", Power Rating=100mW, Pricing 1="1=0.1, 10=0.032, 100=0.0129, 1000=0.00579, 2500=0.00502 (USD)", Radiation Hardening=No, Stock 1=161909, Supplier 1=Digi-Key, Termination=SMD/SMT, Weight=7.1E-05oz, Width=0.031inch
SOM1: library part PicoZed_SOM, "PicoZed SOM Carrier Footprint"